# KiCad board Womo.kicad_pcb (continued)
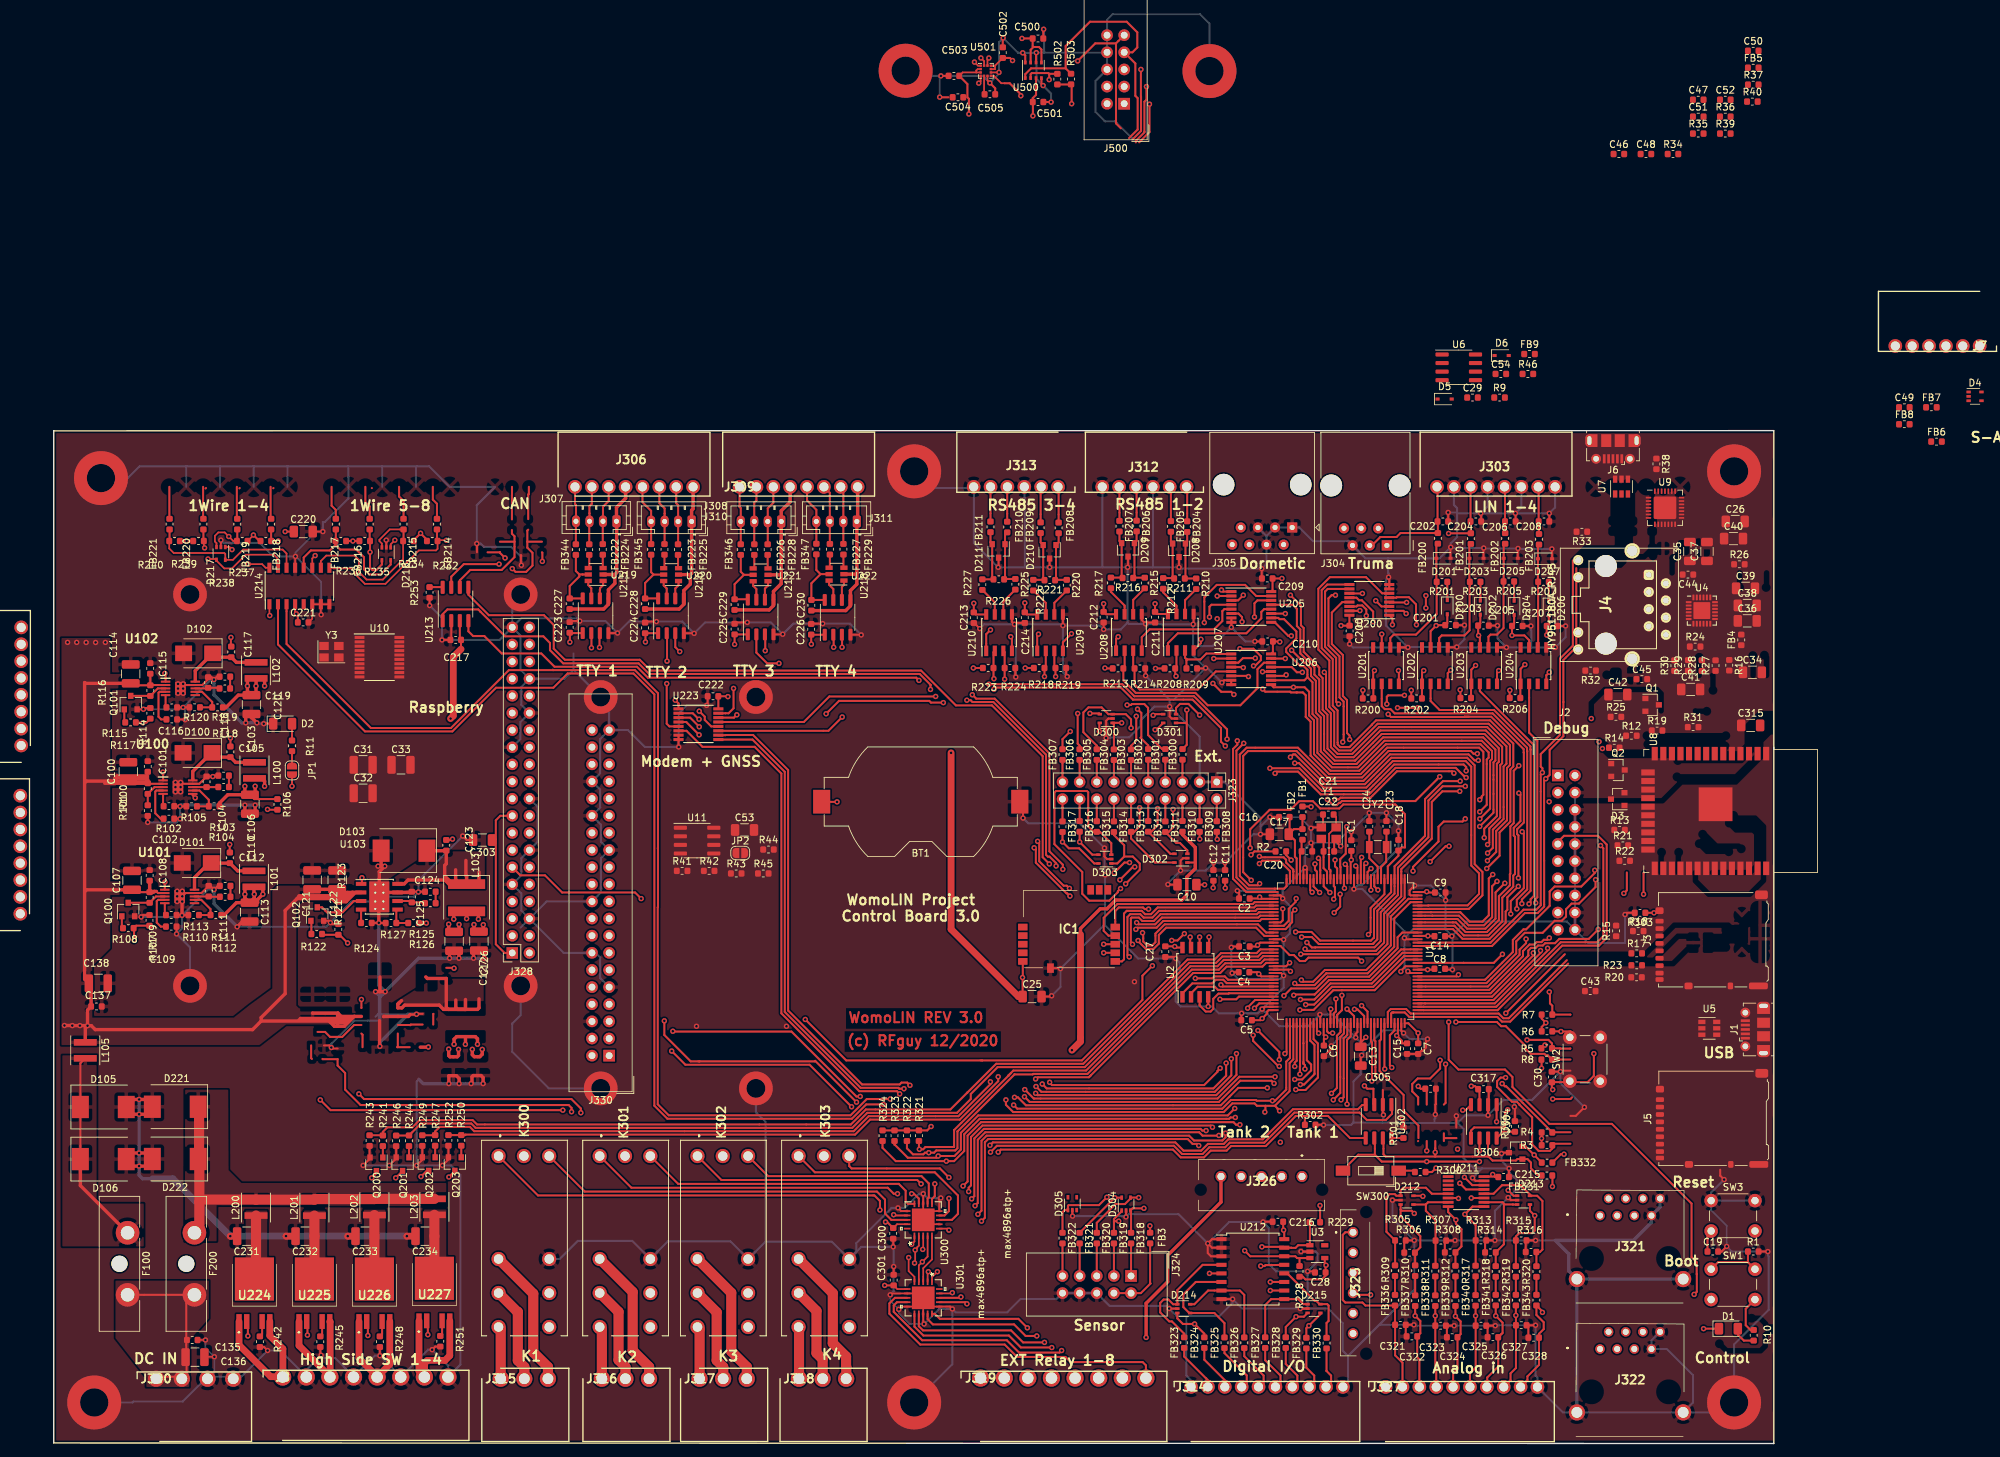
[diagram p0: board, top side]
## Routing (per net, layer and track width the routed paths; a pad name or vN(x,y) marks a point on that pad's centre or on a via; arc(x,y) is an arc through that point) (continued)
uSD_D1: length 47.3
  Top w0.3: 224.75,44.43 222.29,44.43 R3.2 222.06,43.72 221.71,43.37 220.03,43.37 219.08,44.33 219.08,48.33 217.2,50.21 217.2,50.26 216.81,50.65 216.09,50.65 213.88,52.85 213.88,53.7 214.41,54.23 v3(215.14,54.23) ; v3(196.1,54.47) 195.85,54.72 195.85,59.63 195.68,59.8 195.68,62.28
  In1.Cu w0.3: v3(215.14,54.23) 214.9,54.47 v3(196.1,54.47)
uSD_D2: length 35.8
  Top w0.3: v3(221.62,66.93) 221.72,66.83 221.72,65.23 222.06,64.88 R7.2 224.74,63.56 224.75,63.56 ; 202.13,65.23 203.21,65.23 ; 203.21,65.23 213.55,65.23 221.54,73.22 v3(221.37,73.4) ; 203.21,65.23 203.21,65.23
  In1.Cu w0.3: v3(221.37,73.4) 221.62,73.15 v3(221.62,66.93)
uSD_D3: length 38.7
  Top w0.3: v3(220.32,73.06) 220.32,72.7 213.34,65.73 202.13,65.73 ; 224.75,61.06 224.74,61.06 v3(223.34,61.06) 223.32,61.09 R6.2
  In1.Cu w0.3: v3(220.32,73.06) 220.32,61.75 221.01,61.06 v3(223.34,61.06)
uSD_Detect: length 52.7
  Top w0.3: 197.18,83.68 197.18,81.41 195.14,79.36 195.14,75.76 v3(194.82,75.44) ; 224.75,56.91 222.03,56.91 222.02,56.9 221.4,57.52 221.12,57.52 220.89,57.75 218.86,57.75 218.09,58.51 218.09,58.93 215.17,61.85 214.47,61.85 213.85,62.47 v3(207.77,62.47)
  In1.Cu w0.3: v3(207.77,62.47) 206.66,63.58 197.1,63.58 194.82,65.86 v3(194.82,75.44)
V+_TTY1: length 10.5
  Top w0.3: FB344.2 77.37,129.31 77.88,128.8 ; U219.5 78.38,128.79 78.37,128.8 77.88,128.8 ; 77.88,128.8 77.88,128.5 76.46,127.08 C227.2 78.38,125.25 78.39,125.26
V+_TTY2: length 10.6
  Top w0.3: 88.88,128.78 U220.5 ; 88.88,128.78 87.63,127.53 C228.2 89.56,125.25 U216.8 ; 88.88,128.78 88.52,129.13 FB345.2
V+_TTY3: length 10.7
  Top w0.3: FB346.2 101.8,129.21 102.27,128.74 ; 102.27,128.74 U221.5 ; 102.27,128.74 100.89,127.36 C229.2 102.79,125.12 U217.8
V+_TTY4: length 10.8
  Top w0.3: U218.8 114.25,125.02 C230.2 112.27,127.49 113.63,128.84 ; FB347.2 113.01,129.46 113.63,128.84 ; 113.63,128.84 U222.5
VBB_1: length 9.5
  Top w1.5: L200.1 C231.1 29.97,24.61 U224.3
VBB_2: length 9.4
  Top w1.5: L201.1 38.63,30.73 C232.1 38.63,24.38 U225.3
VBB_3: length 9.5
  Top w1.5: L202.1 C233.1 U226.3
VBB_4: length 9.4
  Top w1.5: L203.1 C234.1 U227.3
Net-(BT1-Pad1): length 106.7
  Top w0.3: v3(177.29,88.26) 177.29,91.03 180.18,93.91 183.26,93.91 184.55,95.2 186.58,95.2 187.67,94.11 190.49,94.11 191.09,94.71 198.79,94.71 200.23,93.26 200.23,88.35 199.73,88.35 C18.1 199.26,87.12 197.68,85.54 197.68,83.68 ; v3(116.07,95.09) 113.82,95.09 BT1.1
  In1.Cu w0.3: v3(177.29,88.26) 176.43,87.4 146.1,87.4 146.08,87.39 145.07,87.39 139.38,93.08 118.09,93.08 v3(116.07,95.09)
Net-(C16-Pad2): length 13.8
  Top w0.3: FB2.1 FB1.1 183.77,91.06 C17.2 ; C16.2 183.13,90.42 C17.2 ; C17.2 183.92,89.38 183.92,86.97 184.18,86.71 184.18,83.68
Net-(C20-Pad1): length 6.1
  Top w0.25: 185.04,87.88 C20.1
  Top w0.3: FB1.2 184.91,89.36 C20.1 184.68,87.53 184.68,83.68
Net-(C21-Pad1): length 10.3
  Top w0.25: C21.1 190.03,92.85 Y1.1 189.93,91.31 188.98,90.36 188.98,87.28
  Top w0.3: 189.18,83.68 189.18,84.96 188.98,85.17 188.98,87.28
Net-(C22-Pad1): length 6.3
  Top w0.3: Y1.3 188.16,89.28 C22.1 188.16,85.28 188.68,84.76 188.68,83.68
Net-(C23-Pad2): length 7.4
  Top w0.25: 197.45,90.64 C23.2
  Top w0.3: 196.68,83.68 196.68,85.43 197.45,86.19 Y2.1 197.49,88.43 C23.2
Net-(C24-Pad2): length 7.5
  Top w0.3: C24.2 Y2.2 194.95,86.74 196.18,85.5 196.18,83.68
Net-(C102-Pad1): length 6
  Top w0.3: U100.4 15.2,96.78 15.04,96.62 15.04,93.41 15.84,92.61 C102.1
Net-(C103-Pad1): length 12.1
  Top w0.5: 20.6,98.38 20.6,99.6 23.36,102.36 D100.1 24.1,101.73 C103.1 26.96,100.95 L100.1
Net-(C103-Pad2): length 14.6
  Top w0.3: v3(26.19,104.56) 26.19,103.31 C103.2 ; v3(16.17,99.5) 16.2,99.47 U100.1
  In1.Cu w0.3: v3(26.19,104.56) 21.22,104.56 v3(16.17,99.5)
Net-(C104-Pad2): length 3.8
  Top w0.3: 24.38,97.29 24.37,97.28 C104.2 22.64,97.28 U100.8
Net-(C105-Pad2): length 1.7
  Top w0.3: R103.2 C105.2
Net-(C109-Pad1): length 6.1
  Top w0.3: U101.4 15.46,80.58 15.27,80.39 15.27,77.2 15.86,76.61 C109.1
Net-(C110-Pad1): length 11.9
  Top w0.5: L101.1 27.25,84.87 C110.1 23.37,86.02 D101.1 23.03,86.04 20.86,83.87 20.86,82.18
Net-(C110-Pad2): length 14.3
  Top w0.3: v3(26.07,88.79) 26.07,87.62 C110.2 ; v3(16.47,83.21) 16.46,83.19 U101.1
  In1.Cu w0.3: v3(16.47,83.21) 22.05,88.79 v3(26.07,88.79)
Net-(C111-Pad2): length 3.8
  Top w0.3: U101.8 C111.2 23.01,81.03 R111.1
Net-(C112-Pad2): length 1.6
  Top w0.3: R111.2 C112.2
Net-(C116-Pad1): length 6
  Top w0.3: U102.4 15.67,111.41 15.52,111.27 15.52,107.71 15.91,107.31 C116.1
Net-(C117-Pad1): length 12.2
  Top w0.5: 20.97,113.01 20.97,114.53 D102.1 24.12,116.54 C117.1 27.07,115.77 L102.1
Net-(C117-Pad2): length 14.6
  Top w0.3: C117.2 26.25,118.16 v3(26.25,119.47) ; U102.1 16.57,114.02 v3(16.46,114.13)
  In1.Cu w0.3: v3(16.46,114.13) 21.79,119.47 v3(26.25,119.47)
Net-(C118-Pad2): length 3.7
  Top w0.3: U102.8 22.8,111.91 C118.2 24.46,112 R118.1
Net-(C119-Pad2): length 1.8
  Top w0.3: C119.2 26.14,113.64 R118.2
Net-(C123-Pad1): length 31.7
  Top w0.5: L103.1 59.91,82.91 59.87,82.94 59.14,82.91 57.93,84.12 57.93,85.68 58.17,85.92 C123.1 58.15,87.86 D103.1 ; L103.1 58.57,82.91 57.96,83.52 52.5,83.52 51.93,82.94 U103.8 ; L103.1 60.22,82.91 59.55,83.58 59.55,85.03 ; L103.1 63.02,82.91 63.02,84.71 ; L103.1 61.18,84.12 61.08,84.22 61.08,86.41
Net-(C123-Pad2): length 17.7
  Top w0.3: v3(59.09,89.57) 58.96,89.45 C123.2 ; U103.1 45.67,83.07 v3(45.67,83.86)
  In1.Cu w0.3: v3(45.67,83.86) 53.37,83.86 v3(59.09,89.57)
Net-(C124-Pad1): length 1.7
  Top w0.3: R125.2 C124.1
Net-(C125-Pad1): length 4.2
  Top w0.3: U103.6 52.86,80.4 C125.1 54.89,80.2 R125.1
Net-(C130-Pad1): length 29.7
  Top w0.5: 55.13,69.15 55.36,68.92 58.17,68.92 58.17,64.64 58.47,64.34 61.01,64.34 ; 61.01,64.34 62.79,64.34 63.02,64.57 63.02,65.9 ; 61.01,64.34 61.01,65.8 ; 61.01,64.34 57.76,64.34 57.13,64.97 51.99,64.97 51.59,64.57 50.99,64.57 50.99,65.12 51.12,65.25 51.16,65.25 51.54,65.63 ; 61.01,64.34 59.87,64.34 59.58,64.63 59.58,65.72
Net-(C130-Pad2): length 18.1
  Top w0.3: v3(45.59,65.81) 45.59,64.57 45.59,64.57 ; 58.17,70.5 59.26,70.5 v3(59.32,70.43)
  In1.Cu w0.3: v3(45.59,65.81) 46,66.22 55.11,66.22 v3(59.32,70.43)
Net-(C131-Pad1): length 1.6
  Top w0.3: 56.26,63.68 56.24,63.65 56.24,62.09
Net-(C132-Pad1): length 3.7
  Top w0.3: 54.66,62.09 52.91,62.09 52.82,62 52.79,62.03 50.99,62.03
Net-(C219-Pad1): length 10.2
  Top w0.3: v3(72.4,130.73) 72.4,132.02 72.34,132.08 ; 64.29,132.08 66.12,132.08 66.12,132.08 66.12,132 v3(66.88,131.24)
  In1.Cu w0.3: 72.34,130.8 v3(72.4,130.73) 71.9,131.24 v3(66.88,131.24)
Net-(C321-Pad1): length 31.9
  Top w0.3: J327.2 199.86,11.97 198.77,13.07 C321.1 198.76,17.6 FB336.1 194.37,20.45 193.93,20.89 191.39,20.89 191.01,21.27 191.01,30.92 191.39,31.31 J325.1
Net-(C322-Pad1): length 32.9
  Top w0.3: J327.3 202.36,12.46 202.05,12.78 C322.1 202.51,16.34 202.51,18.16 v3(201.74,18.92) FB337.1
  In1.Cu w0.3: J325.2 191.25,28.31 190.95,28 190.95,21.27 191.33,20.89 193.04,20.89 195.01,18.92 v3(201.74,18.92)
Net-(C323-Pad1): length 28.4
  Top w0.3: FB338.1 v3(204.73,18.92) C323.1 204.73,11.34 204.86,11.21 J327.4
  In1.Cu w0.3: v3(204.73,18.92) 203.2,18.92 202.31,19.81 195.45,19.81 193.93,21.34 193.93,23.91 J325.3
Net-(C324-Pad1): length 29.4
  Top w0.3: v3(195.14,22.03) 192.8,22.03 J325.4 ; J327.5 207.36,10.41 208.01,11.06 C324.1 208.48,16.21 208.48,18.09 v3(207.71,18.86) FB339.1
  In1.Cu w0.3: v3(207.71,18.86) 206.63,19.94 203.52,19.94 202.69,20.76 196.41,20.76 v3(195.14,22.03)
Net-(C325-Pad1): length 53.7
  Top w0.3: FB340.1 v3(210.69,18.92) 210.71,18.91 C325.1 210.71,11.23 209.86,10.38 J327.6
  In1.Cu w0.3: v3(210.69,18.92) 209.61,18.92 207.79,20.75 204.04,20.75 203.18,21.62 197.19,21.62 194.67,24.14 194.67,28.75 193.56,29.86 187.28,29.86 184.96,32.17 J326.1
Net-(C326-Pad1): length 60.2
  Top w0.3: J327.7 212.42,8.44 212.42,9.78 214.05,11.4 C326.1 214.51,16.21 214.52,16.21 214.69,16.38 214.69,17.91 v3(213.68,18.92) FB341.1
  In1.Cu w0.3: J326.2 183.64,41.25 187.19,41.25 190.62,37.82 190.62,35.15 192.23,33.54 192.85,33.54 195.9,30.49 195.9,24.49 197.75,22.63 203.7,22.63 204.69,21.64 208.24,21.64 209.86,20.03 211.74,20.03 212.44,19.32 213.28,19.32 v3(213.68,18.92)
Net-(C327-Pad1): length 67.2
  Top w0.3: FB342.1 v3(216.66,18.99) 216.68,18.97 C327.1 216.68,11.19 215.88,10.39 215.88,9.39 J327.8
  In1.Cu w0.3: J326.3 180.41,41.02 181.81,41.02 182.88,42.09 187.8,42.09 191.67,38.21 193.51,38.21 197.19,34.53 197.19,24.71 198.27,23.63 204.15,23.63 205.22,22.57 208.79,22.57 210.4,20.95 212.32,20.95 213.01,20.27 215.95,20.27 216.66,19.55 v3(216.66,18.99)
Net-(C328-Pad1): length 76.3
  Top w0.3: J327.9 218.38,9.39 218.38,9.94 220.09,11.66 C328.1 220.09,16.26 220.79,16.96 220.79,17.97 219.71,19.05 FB343.1 220.6,19.57 v3(220.6,19.43)
  In1.Cu w0.3: v3(220.6,19.43) 218.53,19.43 216.87,21.09 213.45,21.09 212.68,21.87 210.72,21.87 209.04,23.55 205.83,23.55 204.7,24.68 199.43,24.68 198.16,25.95 198.16,34.68 193.66,39.18 192.2,39.18 188.41,42.98 182.53,42.98 181.51,41.96 178.35,41.96 J326.4
Net-(C505-Pad1): length 2.8
  Top w0.25: C505.1 137.86,200.03 U501.5
Net-(D1-Pad2): length 3.6
  Top w0.3: D1.2 249.56,16.14 250.45,15.25 R10.2
Net-(D2-Pad2): length 2.5
  Top w0.3: R11.2 35.31,106.67 35.31,106.68
Net-(D105-Pad1): length 29.1
  Top w0.3: 3.68,50.5 3.61,50.5 ; L105.2 3.95,56.36 D105.1 D106.1
  Top w0.5: D106.1 3.95,38.23 F100.1
Net-(D200-Pad1): length 2.7
  Top w0.3: R201.1 D200.1
Net-(D201-Pad1): length 20.3
  Top w0.3: U201.6 198.06,119.38 198.57,119.89 201.87,119.89 204.93,122.95 R201.2 204.88,127.75 D201.1 204.88,133.14 FB200.2
Net-(D202-Pad1): length 2.8
  Top w0.3: R203.1 211.42,124.96 D202.1
Net-(D203-Pad1): length 19.3
  Top w0.3: FB201.2 209.77,133.1 D203.1 209.77,127.77 209.84,127.7 209.84,127.12 209.81,127.09 209.81,120.52 209.04,119.76 205.68,119.76 205.3,119.38 U202.6
Net-(D204-Pad1): length 3
  Top w0.3: D204.1 216.41,125.22 ; 216.41,125.22 216.41,127.76 ; 216.41,125.22 216.41,125.07
Net-(D205-Pad1): length 16.9
  Top w0.3: U203.6 212.6,119.57 212.92,119.89 213.87,119.89 214.83,120.85 R205.2 214.85,127.78 D205.1 214.85,133.13 FB202.2
Net-(D206-Pad1): length 3.2
  Top w0.3: 221.54,125.23 221.54,124.95 221.55,124.94 ; 221.54,125.23 221.55,125.22 D206.1 ; 221.54,125.23 R207.1
Net-(D207-Pad1): length 15.3
  Top w0.3: U204.6 219.96,118.05 R207.2 219.93,127.73 D207.1 219.93,133.06 220.09,133.22
Net-(D208-Pad1): length 8.7
  Top w0.3: R210.1 R211.1 167.7,128.31 D208.1 167.96,133.64 FB204.2
Net-(D208-Pad2): length 8.8
  Top w0.3: R212.1 165.98,128.26 R211.2 165.8,128.43 D208.2 165.54,133.64 FB205.2
Net-(D209-Pad1): length 8.9
  Top w0.3: FB206.2 160.46,133.76 D209.1 160.14,128.46 R216.1 160.01,128.32 R215.1
Net-(D209-Pad2): length 8.8
  Top w0.3: FB207.2 157.92,133.76 D209.2 158.24,128.41 R216.2 158.32,128.33 R217.1
Net-(D210-Pad1): length 8.9
  Top w0.3: R220.1 148.44,128 R221.1 148.52,128.09 D210.1 148.91,133.55 FB208.2
Net-(D210-Pad2): length 8.9
  Top w0.3: FB209.2 146.24,133.54 D210.2 146.62,128.14 R221.2 146.76,128 R222.1
Net-(D211-Pad1): length 8.8
  Top w0.3: FB210.2 140.96,134.72 D211.1 140.96,128.21 R226.1 140.88,128.13 R225.1
Net-(D211-Pad2): length 8.8
  Top w0.3: R227.1 R226.2 139.06,128.27 D211.2 138.81,133.54 FB211.2
Net-(D217-Pad1): length 24.6
  Top w0.25: v3(32,122.71) 31.96,122.75 U214.1 ; v3(33.28,133.76) R237.2 ; D217.1 26.04,132.87 v3(26.42,132.49)
  Top w0.3: FB218.2 R237.2
  In1.Cu w0.25: v3(26.42,132.49) 27.56,133.63 33.15,133.63 v3(33.28,133.76) 33.28,123.98 v3(32,122.71)
Net-(D217-Pad3): length 17.1
  Top w0.25: U214.16 31.41,129.79 30.87,130.33 v3(28.83,130.33) ; R238.2 26.61,133.76 v3(25.94,134.42) 25.34,135.03 24.38,135.03 23.88,134.52 23.88,133.68 24.12,133.44 D217.3
  Top w0.3: R238.2 27.2,133.81 FB219.2
  In1.Cu w0.25: v3(28.83,130.33) 27.5,130.33 25.69,132.14 25.69,134.17 v3(25.94,134.42)
Net-(D217-Pad4): length 18.1
  Top w0.25: v3(22.35,132.74) 22.24,132.85 R239.2 ; U214.15 33.23,130.79 33.15,130.87 33.15,131.22 32.64,131.72 28.45,131.72 26.42,129.69 25.27,129.69 24.12,130.84 D217.4 24,131.09 v3(22.86,131.09)
  Top w0.3: R239.2 22.18,133.82 FB220.2
  In1.Cu w0.25: v3(22.86,131.09) 22.86,131.67 22.35,132.17 v3(22.35,132.74)
Net-(D217-Pad5): length 24.4
  Top w0.25: R240.2 17.11,132.65 17.78,131.98 25.27,131.98 25.42,131.83 D217.5 26.55,130.97 28.07,132.49 33.91,132.49 34.5,131.9 U214.14
  Top w0.3: FB221.2 17.16,133.81 R240.2
Net-(D218-Pad1): length 32.5
  Top w0.25: D218.1 49.93,133.26 v3(50.55,133.88) ; U214.9 41.4,129.79 41.49,129.69 44.07,129.69 44.58,129.18 44.58,128.93 46.1,127.41 49.15,127.41 54.1,132.36 56.64,132.36 56.88,132.59 R232.2 57,133.88 58.17,133.88
  Top w0.3: FB214.2 56.79,133.85 R232.2
  In1.Cu w0.25: v3(50.55,133.88) 58.17,133.88
  vias: v3(58.19,133.86)
Net-(D218-Pad3): length 27.2
  Top w0.25: D218.3 48.63,133.38 48.26,133.75 48.26,133.94 49.79,135.47 FB215.2 ; U214.10 39.58,130.79 40.39,131.6 44.58,131.6 45.21,130.96 45.21,129.18 46.36,128.04 48.77,128.04 51.77,131.04 R234.2
  Top w0.3: R234.2 51.83,133.82 FB215.2
Net-(D218-Pad4): length 19
  Top w0.25: U214.11 38.31,131.17 v3(38.74,131.6)
  Top w0.3: FB216.2 46.82,133.81 R235.2 v3(46.87,132.11) 46.87,129.82 47.25,129.44 47.79,129.44 48.63,130.28 D218.4
  In1.Cu w0.25: v3(38.74,131.6) 39.37,132.23 46.75,132.23 v3(46.87,132.11)
Net-(D218-Pad5): length 21.6
  Top w0.3: 41.75,133.18 40.93,132.36 38.1,132.36 37.04,131.3 U214.12 ; 41.75,133.18 R236.2 41.8,133.81 FB217.2 ; 41.75,133.18 42.44,132.49 44.83,132.49 45.97,131.34 45.97,129.57 46.74,128.8 48.45,128.8 49.93,130.28 D218.5
Net-(D221-Pad1): length 53.9
  Top w1.5: 21.58,35.8 21.57,31.96 F200.1 ; 21.58,35.8 21.93,36.15 L200.2 29.98,36.14 L201.2 38.71,36.23 L202.2 47.55,36.26 L203.2 ; 21.58,35.8 21.57,42.13 21.53,42.16 21.53,49.82
Net-(FB3-Pad1): length 12
  Top w0.3: J324.4 J324.2 161.1,22.29 162.52,23.71 162.46,23.77 FB3.1
Net-(FB222-Pad2): length 2
  Top w0.3: 79.21,129.74 79.35,129.89 FB222.2
Net-(FB223-Pad2): length 2
  Top w0.3: 90.38,129.73 90.5,129.85 FB223.2
Net-(FB224-Pad2): length 2
  Top w0.3: FB224.2 81.36,129.79 81.41,129.74
Net-(FB225-Pad2): length 2
  Top w0.3: FB225.2 92.51,129.8 92.58,129.73
Net-(FB226-Pad2): length 2.1
  Top w0.3: 103.64,129.69 103.81,129.86 FB226.2
Net-(FB227-Pad2): length 2
  Top w0.3: 114.9,129.79 115.01,129.91 FB227.2
Net-(FB228-Pad2): length 2
  Top w0.3: 105.84,129.69 105.79,129.74 FB228.2
Net-(FB229-Pad2): length 2
  Top w0.3: 117.09,129.79 117.02,129.87 FB229.2
Net-(FB300-Pad1): length 3.3
  Top w0.3: FB300.1 J323.5
Net-(FB301-Pad1): length 3.3
  Top w0.3: J323.7 FB301.1
Net-(FB302-Pad1): length 3.3
  Top w0.3: FB302.1 J323.9
Net-(FB303-Pad1): length 3.3
  Top w0.3: FB303.1 J323.11
Net-(FB304-Pad1): length 3.3
  Top w0.3: FB304.1 J323.13
Net-(FB305-Pad1): length 3.3
  Top w0.3: FB305.1 J323.15
Net-(FB306-Pad1): length 3.3
  Top w0.3: J323.17 FB306.1
Net-(FB307-Pad1): length 3.3
  Top w0.3: FB307.1 J323.19
Net-(FB308-Pad1): length 3.3
  Top w0.3: FB308.1 J323.2
Net-(FB309-Pad1): length 3.3
  Top w0.3: FB309.1 J323.4
Net-(FB310-Pad1): length 3.3
  Top w0.3: J323.6 FB310.1
Net-(FB311-Pad1): length 3.3
  Top w0.3: FB311.1 J323.8
Net-(FB312-Pad1): length 3.3
  Top w0.3: J323.10 FB312.1
Net-(FB313-Pad1): length 3.3
  Top w0.3: FB313.1 J323.12
Net-(FB314-Pad1): length 3.3
  Top w0.3: J323.14 FB314.1
Net-(FB315-Pad1): length 3.3
  Top w0.3: J323.16 FB315.1
Net-(FB316-Pad1): length 3.3
  Top w0.3: FB316.1 J323.18
Net-(FB317-Pad1): length 3.3
  Top w0.3: J323.20 FB317.1
Net-(FB318-Pad2): length 4.8
  Top w0.3: FB318.2 J324.1
Net-(FB319-Pad2): length 4.8
  Top w0.3: FB319.2 J324.3
Net-(FB320-Pad2): length 4.8
  Top w0.3: FB320.2 J324.5
Net-(FB321-Pad2): length 4.8
  Top w0.3: FB321.2 J324.7
Net-(FB322-Pad2): length 4.8
  Top w0.3: FB322.2 J324.9
Net-(FB323-Pad1): length 7.3
  Top w0.3: FB323.1 167.51,12.89 170.76,9.65 170.77,9.65 171.79,8.64
Net-(FB324-Pad1): length 7.1
  Top w0.3: 174.29,8.64 170.5,12.42 FB324.1
Net-(FB325-Pad1): length 6.9
  Top w0.3: 176.79,8.64 176.79,10.1 173.48,13.4 FB325.1
Net-(FB326-Pad1): length 6.7
  Top w0.3: FB326.1 176.42,12.94 179.29,10.07 179.29,8.64
Net-(FB327-Pad1): length 6.5
  Top w0.3: FB327.1 179.52,12.34 181.79,10.07 181.79,8.64
Net-(FB328-Pad1): length 6.2
  Top w0.3: 184.29,8.64 184.29,10.07 182.56,11.79 FB328.1
Net-(FB329-Pad1): length 5.9
  Top w0.3: 186.79,8.64 186.79,10.07 185.61,11.24 FB329.1
Net-(FB330-Pad1): length 5.7
  Top w0.3: FB330.1 188.61,10.77 188.6,10.76 189.29,10.07 189.29,8.64
Net-(FB336-Pad2): length 2.8
  Top w0.3: FB336.2 R309.1
Net-(FB337-Pad2): length 2.9
  Top w0.3: FB337.2 R310.1
Net-(FB338-Pad2): length 2.8
  Top w0.3: FB338.2 R311.1
Net-(FB339-Pad2): length 2.8
  Top w0.3: FB339.2 R312.1
Net-(FB340-Pad2): length 2.8
  Top w0.3: FB340.2 R317.1
Net-(FB341-Pad2): length 2.7
  Top w0.3: FB341.2 R318.1
Net-(FB342-Pad2): length 2.7
  Top w0.3: R319.1 FB342.2
Net-(FB343-Pad2): length 2.7
  Top w0.3: R320.1 FB343.2
Net-(FB344-Pad1): length 8.6
  Top w0.3: J306.1 77.24,139.25 77.39,139.1 J307.4 77.37,136.66 FB344.1
Net-(FB345-Pad1): length 9
  Top w0.3: FB345.1 J308.4 88.52,138.23 87.24,139.51 J306.5
Net-(FB346-Pad1): length 8.6
  Top w0.3: J309.1 101.63,138.81 101.8,138.63 J310.4 FB346.1
Net-(FB347-Pad1): length 9
  Top w0.3: J309.5 111.63,139.76 113.01,138.38 J311.4 FB347.1
Net-(JP1-Pad2): length 2.2
  Top w0.3: JP1.2 R11.1
Net-(Q100-Pad1): length 1.8
  Top w0.3: Q100.1 10.09,76.55 R108.1
Net-(Q100-Pad3): length 5.8
  Top w0.3: U101.3 15.15,81.08 R109.2 14.21,80.14 Q100.3
Net-(Q101-Pad1): length 2
  Top w0.3: R115.1 10.46,107.01 Q101.1
Net-(Q101-Pad3): length 5.6
  Top w0.3: Q101.3 14.3,110.81 R116.2 15.43,111.91 U102.3
Net-(Q102-Pad1): length 2
  Top w0.3: Q102.1 38.18,77.4 R122.1
Net-(Q102-Pad3): length 7.5
  Top w0.3: U103.3 44.47,80.4 42.8,78.73 R123.2 40.49,78.73 40.24,78.97 40.24,78.98 39.76,79.47 Q102.3
Net-(Q103-Pad1): length 2
  Top w0.3: 38.14,59 38.14,57.11 38.25,57
Net-(Q103-Pad3): length 7.5
  Top w0.3: 39.09,61 40.21,61 40.95,60.26 42.75,60.26 44.51,62.03 45.59,62.03
Net-(Q200-Pad1): length 1.7
  Top w0.3: R241.1 48.77,42.39 Q200.1
Net-(Q200-Pad3): length 38
  Top w0.3: v3(47.12,39.37) 47.82,40.07 Q200.3 ; U224.2 28.77,17.91 v3(28.77,15.94)
  In1.Cu w0.3: v3(28.77,15.94) 34.61,15.94 42.55,23.88 42.55,34.8 v3(47.12,39.37)
Net-(Q201-Pad1): length 1.7
  Top w0.3: R244.1 52.64,42.4 Q201.1
Net-(Q201-Pad3): length 32.2
  Top w0.3: U225.2 37.59,17.97 v3(37.59,16.07) ; v3(50.67,39.37) 51.69,40.39 Q201.3
  In1.Cu w0.3: v3(37.59,16.07) 44.51,22.99 44.51,33.21 v3(50.67,39.37)
Net-(Q202-Pad1): length 1.7
  Top w0.3: R247.1 Q202.1
Net-(Q202-Pad3): length 30.5
  Top w0.3: U226.2 46.55,17.91 v3(46.55,16) ; Q202.3 55.28,40.42 v3(54.42,39.56)
  In1.Cu w0.3: v3(46.55,16) 46.55,31.69 v3(54.42,39.56)
Net-(Q203-Pad1): length 1.7
  Top w0.3: R250.1 60.39,42.42 Q203.1
Net-(Q203-Pad3): length 28.1
  Top w0.3: U227.2 55.44,18.01 v3(55.44,16.13) ; v3(58.55,39.5) 59.43,40.38 Q203.3
  In1.Cu w0.3: v3(55.44,16.13) 55.44,36.39 v3(58.55,39.5)
Net-(R9-Pad1): length 2.9
  Top w0.3: 206.03,45.26 207.83,45.26 207.84,45.26 ; 206,45.97 206,44.83
Net-(R100-Pad2): length 4.4
  Top w0.3: U100.3 14.93,97.28 R100.2 R101.1
Net-(R102-Pad1): length 1.9
  Top w0.3: R102.1 16.2,94.53 U100.5
Net-(R104-Pad2): length 5.7
  Top w0.3: R105.1 R104.2 22.98,95.4 21.6,96.78 U100.7
Net-(R110-Pad1): length 1.8
  Top w0.3: R110.1 16.46,78.49 U101.5
Net-(R112-Pad2): length 5.5
  Top w0.3: U101.7 21.86,80.58 23.23,79.2 R112.2 R113.1
Net-(R117-Pad1): length 1.9
  Top w0.3: R117.1 16.57,109.22 U102.5
Net-(R119-Pad2): length 5.8
  Top w0.3: U102.7 21.97,111.41 23.48,109.9 R119.2 23.47,109.11 R120.1
Net-(R124-Pad2): length 2
  Top w0.3: R124.2 45.54,79.13 U103.4
Net-(R126-Pad2): length 3.8
  Top w0.3: U103.5 50.76,78.95 R127.1 R126.2
Net-(R131-Pad2): length 2.1
  Top w0.3: 45.59,60.76 45.76,60.58 45.76,58.74
Net-(R133-Pad2): length 3.9
  Top w0.3: 50.99,60.76 50.99,58.82 50.9,58.74 52.74,58.74
Net-(R210-Pad2): length 4.4
  Top w0.3: R210.2 167.64,124.98 U207.6
Net-(R212-Pad2): length 4.6
  Top w0.3: U207.7 166.37,124.18 164.4,126.14 R212.2
Net-(R215-Pad2): length 4.6
  Top w0.3: R215.2 159.96,125.03 U208.6
Net-(R217-Pad2): length 4.7
  Top w0.3: U208.7 158.69,124.19 156.65,126.22 R217.2
Net-(R220-Pad2): length 4.3
  Top w0.3: U209.6 148.27,124.59 R220.2
Net-(R222-Pad2): length 4.3
  Top w0.3: U209.7 147,124.59 R222.2
Net-(R225-Pad2): length 4.4
  Top w0.3: R225.2 140.72,124.78 U210.6
Net-(R227-Pad2): length 4.4
  Top w0.3: U210.7 139.45,124.66 R227.2
Net-(R242-Pad2): length 2.3
  Top w0.3: R242.2 30.88,16.21 U224.4
Net-(R245-Pad2): length 2.3
  Top w0.3: R245.2 39.77,16.14 U225.4
Net-(R248-Pad2): length 2.3
  Top w0.3: U226.4 48.66,16.21 R248.2
Net-(R251-Pad2): length 2.4
  Top w0.3: U227.4 57.55,16.21 R251.2
Net-(R253-Pad1): length 2
  Top w0.3: R253.1 57.6,126.92 U213.8
Net-(R300-Pad2): length 3.8
  Top w0.25: SW300.1 199.87,40.44
  Top w0.3: 198.54,40.44 201.5,40.44 R300.2
Net-(R301-Pad1): length 1.8
  Top w0.3: U302.8 200,45.28 R301.1
Net-(R304-Pad1): length 3.1
  Top w0.3: U304.8 214.76,46.2 R304.1
Net-(U215-Pad6): length 2.8
  Top w0.3: 80.93,125.26 80.93,126.54 80.95,126.57 80.95,126.76 81.41,127.22 81.41,127.84
Net-(U215-Pad7): length 2.8
  Top w0.3: 79.21,127.84 79.21,127.22 79.66,126.77 79.66,125.26
Net-(U216-Pad6): length 2.8
  Top w0.3: 92.58,127.83 92.58,127.2 92.1,126.72 U216.6
Net-(U216-Pad7): length 2.8
  Top w0.3: U216.7 90.83,126.72 90.38,127.17 90.38,127.83
Net-(U217-Pad6): length 2.9
  Top w0.3: U217.6 105.39,126.71 105.84,127.17 105.84,127.79
Net-(U217-Pad7): length 2.9
  Top w0.3: 103.64,127.79 103.64,127.12 104.12,126.64 U217.7
Net-(U218-Pad6): length 3
  Top w0.3: U218.6 116.79,126.96 117.09,127.27 117.09,127.89
Net-(U218-Pad7): length 3.1
  Top w0.3: 114.9,127.89 114.9,127.27 115.52,126.64 U218.7

## Copper pours and planes (outline as drawn; the poured copper is in the pictures)
+3.3VA on In2.Cu: 28.19,108.46 25.66,108.46 25.66,92.46 56.13,92.46 60.58,88.26 85.6,88.26 137.16,46.23 220.73,46.23 220.73,52.7 224.54,52.7 224.54,40.51 219.84,40.51 219.84,23.75 143.26,23.75 138.3,18.8 121.54,18.8 121.54,46.86 77.34,82.3 59.31,82.3 51.82,89.03 22.23,89.03 22.23,111.51 28.19,111.51
+3.3VA on In2.Cu: 73.03,123.57 74.3,122.43 125.1,122.43 125.1,134.62 181.87,134.62 192.79,123.82 192.79,119.76 195.07,117.47 225.3,117.47 225.3,132.97 254.25,132.97 254.25,82.55 231.52,82.55 231.52,107.44 225.81,112.9 186.44,112.9 178.06,104.78 178.06,92.96 145.16,92.96 145.16,101.73 95.12,101.73 86.36,108.46 28.07,108.46 28.07,129.03 25.02,131.83 19.18,131.83 19.18,139.19 73.03,139.19
+3V3 on In2.Cu: 230,107.31 230,80.77 240.79,80.77 240.79,57.15 244.98,52.96 253.37,45.08 253.37,19.81 233.68,19.81 233.68,46.74 226.57,53.47 218.44,53.47 218.44,49.02 137.8,48.89 86.87,90.42 76.96,90.42 61.47,90.55 57.66,94.36 27.94,94.36 27.94,105.16 86.74,105.16 94.74,98.93 142.37,98.81 142.37,90.55 181.74,90.55 181.74,103.25 190.75,111.89 191.01,112.14 224.79,112.14
+5V on In2.Cu: 31.62,49.4 33.4,47.75 60.96,47.75 64.14,44.58 116.08,44.45 116.08,38.23 27.81,38.23 27.81,82.3 31.62,82.3
+5VD on In2.Cu: 54.48,79.88 72.52,79.88 72.52,70.99 65.91,70.99 62.1,74.8 54.48,75.06
+5VL on In2.Cu: 54.36,61.21 80.77,61.21 80.77,56.39 54.36,56.39
GND on Top: 49.66,59.69 46.8,59.69 46.8,65.79 49.66,65.79
GND on Top: 49.66,77.98 46.8,77.98 46.8,84.33 49.66,84.33
GND on Top: 19.5,110.24 17.97,110.24 17.97,113.66 19.5,113.66
GND on Top: 19.18,95.57 17.65,95.57 17.65,99.5 19.18,99.5
GND on Top: 19.43,79.38 17.91,79.38 17.91,82.8 19.43,82.8
GND on Top: 0,150.08 254.89,150.11 254.89,0 0,0.08
GND on Bottom: 50.55,77.72 45.59,77.72 45.59,84.07 50.55,84.07
GND on Bottom: 50.74,59.56 46.23,59.56 46.23,65.6 50.74,65.6
GND on Bottom: 0.64,150.15 254.89,150.15 254.89,0.15 0.64,0
+BATT on Top: 8.38,114.05 14.73,114.05 15.24,113.54 15.24,112.39 14.86,112.01 8.38,111.89 8.38,99.44 14.22,99.44 14.99,98.68 14.99,97.66 14.48,97.66 14.22,97.41 8.38,97.41 8.38,83.31 14.73,83.31 15.24,82.93 15.24,81.66 14.99,81.66 14.61,81.28 8.38,81.28 8.38,73.41 5.72,70.74 5.72,63.12 26.67,63.12 29.08,65.02 32.39,67.44 32.39,81.91 33.15,82.68 44.07,82.68 44.07,81.28 43.31,80.52 36.83,80.52 35.94,79.76 35.94,64.9 36.32,64.52 43.94,64.52 43.94,63.12 42.8,62.1 34.42,62.1 30.48,59.06 1.14,59.06 1.14,119.38 8.38,119.38
+BATT on In2.Cu: 222.38,119.38 222.38,125.86 199.77,125.86 176.02,149.61 95.63,149.99 0.76,149.86 0.76,117.98 16.89,117.98 16.64,143.38 119.89,143.38 126.11,137.16 182.37,137.16 196.09,123.44 196.09,119.38
+BATT on In2.Cu: 231.52,38.35 231.55,17.54 241.71,17.54 241.68,1.14 1.14,1.14 1.14,62.42 5.88,62.43 5.72,12.83 190.5,12.83 191.26,13.59 191.26,20.32 223.01,20.32 223.01,38.35
DC_Input on Top: 20.07,15.24 22.99,18.54 22.99,24.13 9.15,24.13 9.15,15.62 13.72,9.78 13.72,8.38 20.07,8.38
VBB_1 on Top: 31.64,34.52 31.62,27.18 28.45,27.18 28.44,34.53
VBB_2 on Top: 40.29,34.49 40.26,27.31 37.09,27.31 37.09,34.53
VBB_3 on Top: 49.15,34.65 49.15,27.18 45.97,27.18 45.96,34.65
VBB_4 on Top: 58.17,34.67 58.17,27.31 54.87,27.31 54.87,34.67
Net-(C123-Pad1) on Top: 63.88,82.65 58.52,82.69 57.94,83.3 52.62,83.32 51.92,82.68 50.19,82.68 50.19,83.74 56.24,87.76 63.88,87.77
